# Altium PCB STB_ControlBoard.PcbDoc (part 1 of 3) (continued)
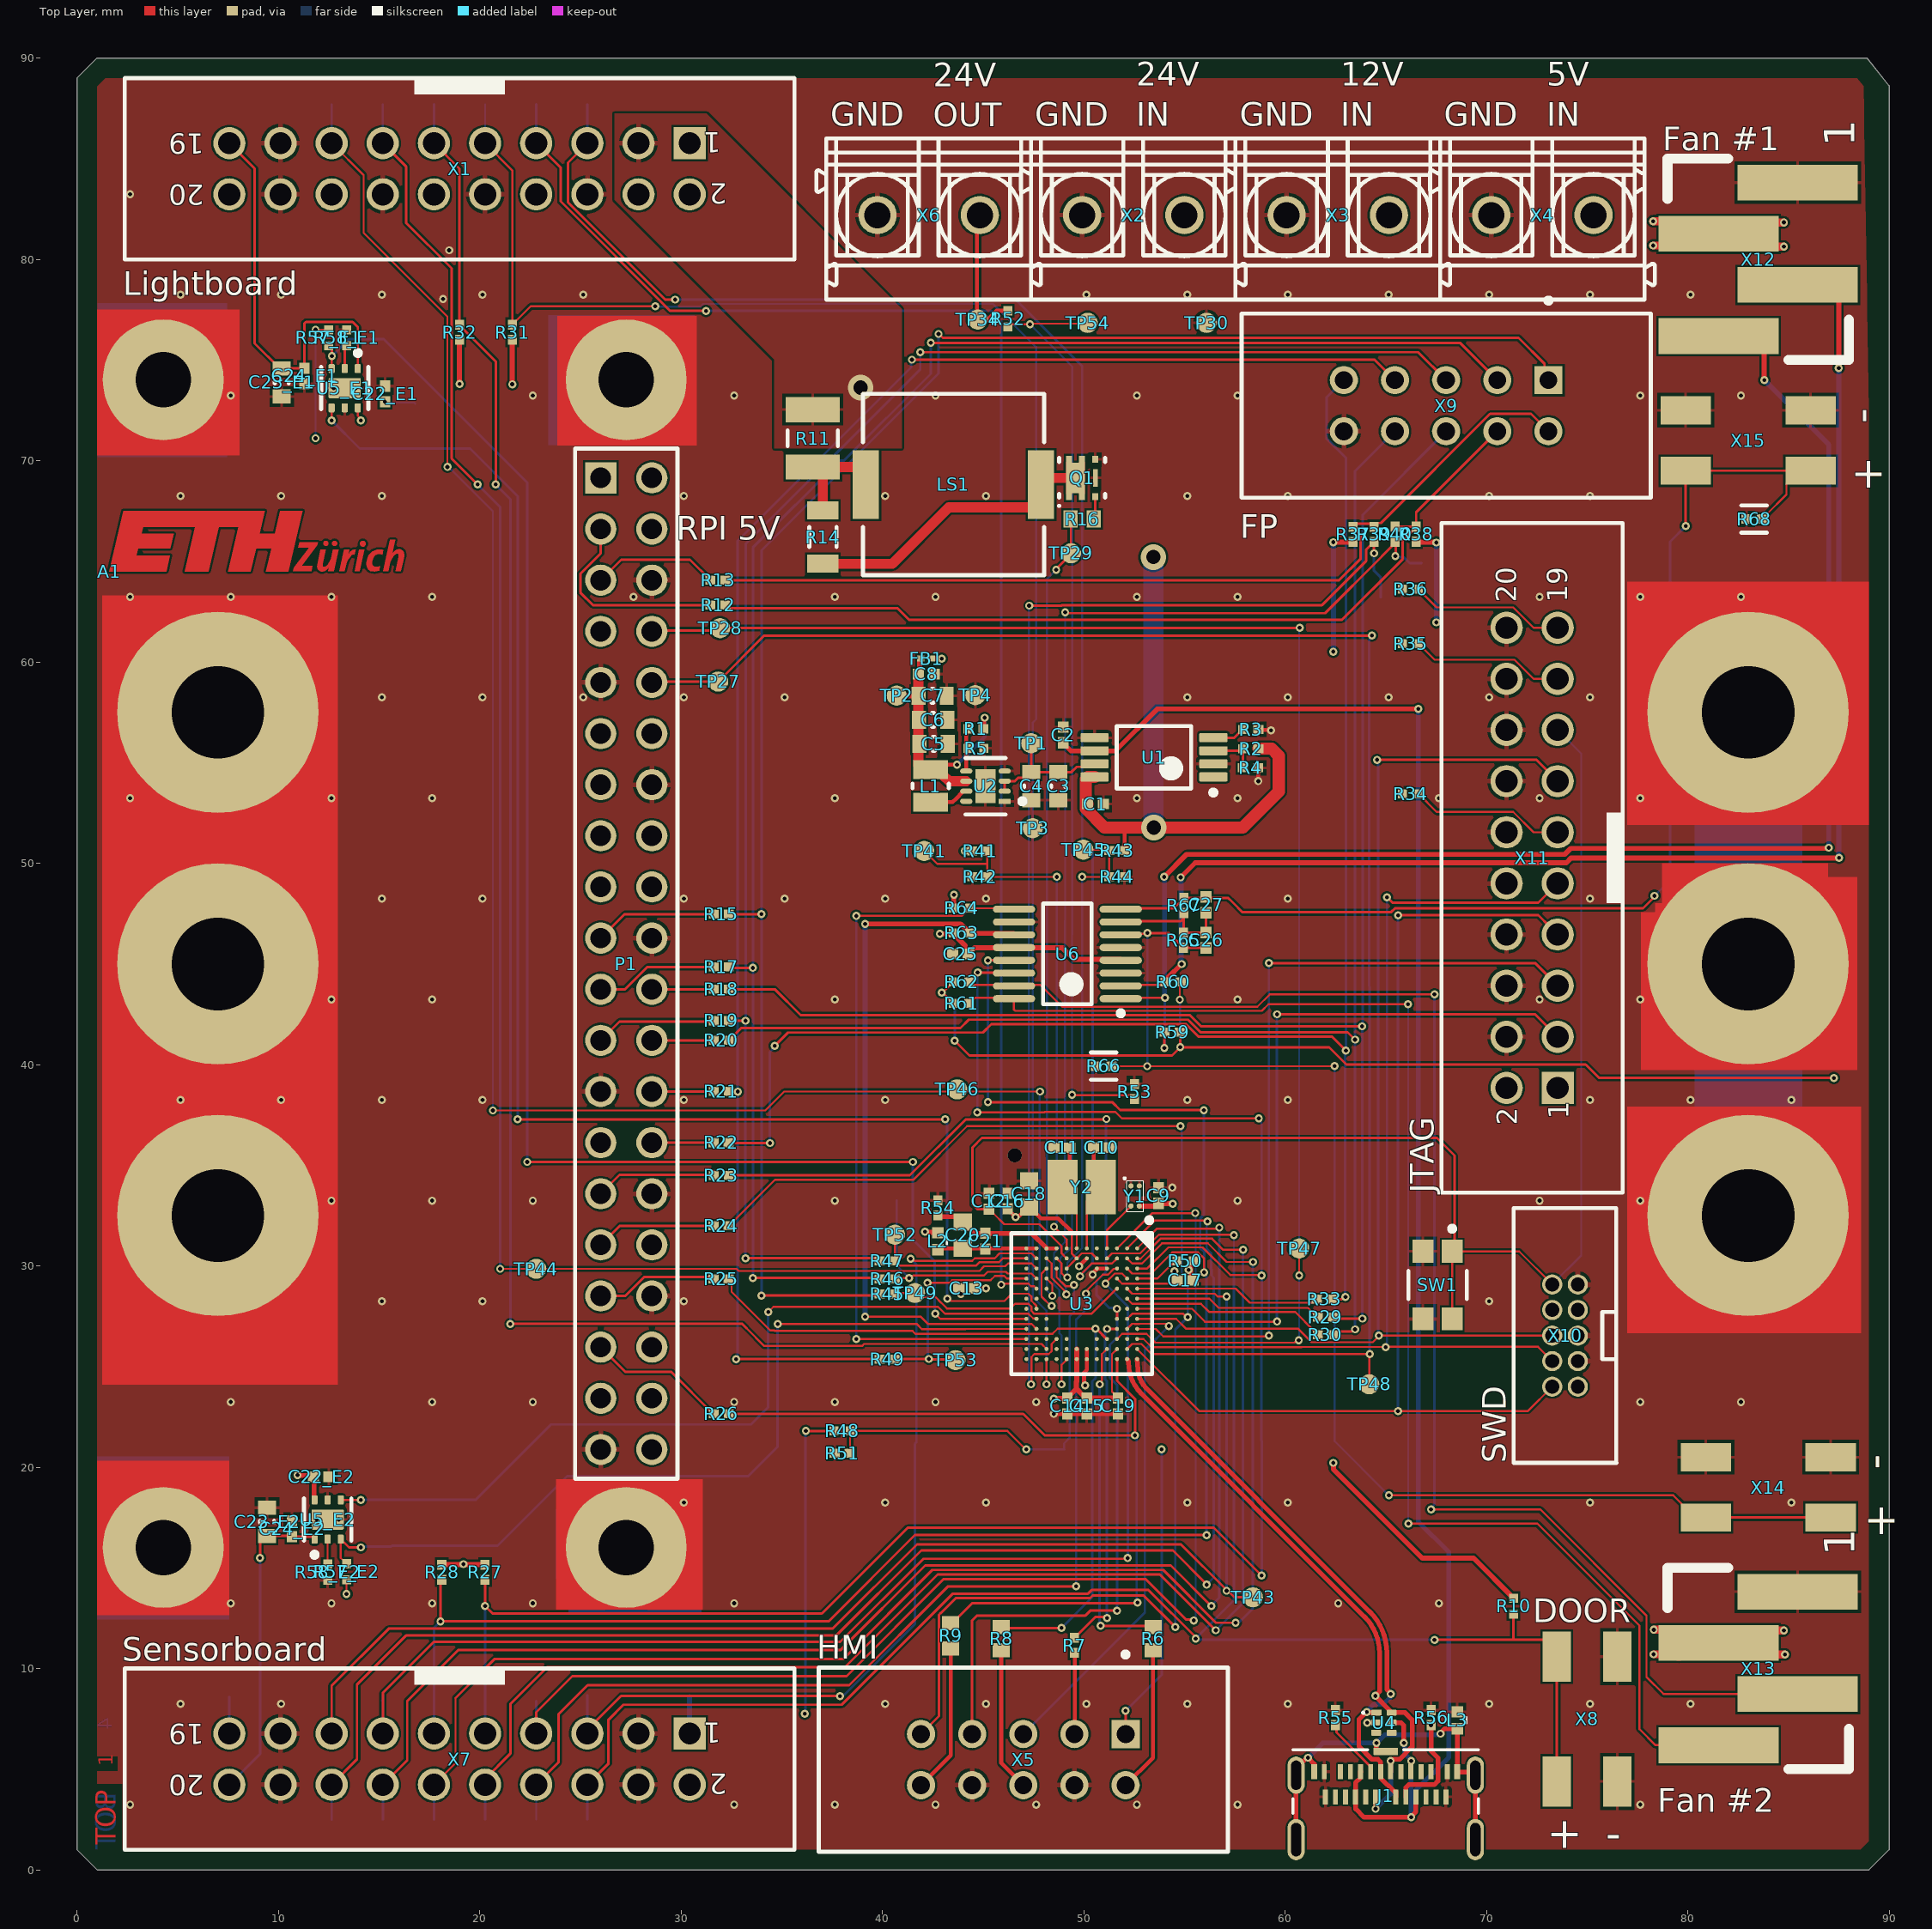
[diagram p0: Top Layer view]
## Classes and differential pairs
net class USB: USB_N USB_P
component class FC: C25 C26 C27 R59 R60 R61 R62 R63 R64 R65 R66 R67 R68 U6 X12 X13 X14 X15
differential pair class USB_90R: USB
channel class STB_eFuse: E1 E2
component class USB: J1 L3 R55 R56 U4
component class STB_ControlBoard: A1 LS1 M1 M2 P1 Q1 R6 R7 R8 R9 R10 R11 R12 R13 R14 R15 R16 R17 R18 R19 R20 R21 R22 R23 R24 R25 R26 TP5 TP6 TP7 TP8 TP9 TP10 TP11 TP12 TP13 TP14 TP15 TP16 TP17 TP18 TP19 TP20 TP21 TP22 TP23 TP24 TP25 TP26 TP27 TP28 TP29 TP30 TP31 TP32 TP33 TP34 X1 X2 X3 X4 X5 X6 X7 X8 X9
component class PSU: C1 C2 C3 C4 C5 C6 C7 C8 FB1 L1 R1 R2 R3 R4 R5 TP1 TP2 TP3 TP4 U1 U2
component class MCU: C9 C10 C11 C12 C13 C14 C15 C16 C17 C18 C19 C20 C21 L2 R27 R28 R29 R30 R31 R32 R33 R34 R35 R36 R37 R38 R39 R40 R41 R42 R43 R44 R45 R46 R47 R48 R49 R50 R51 R52 R53 R54 SW1 TP39 TP40 TP41 TP43 TP44 TP45 TP46 TP47 TP48 TP49 TP50 TP51 TP52 TP53 TP54 U3 X10 X11 Y1 Y2
component class E2: C22_E2 C23_E2 C24_E2 R57_E2 R58_E2 U5_E2
component class E1: C22_E1 C23_E1 C24_E1 R57_E1 R58_E1 U5_E1
differential pair USB: +USB_P -USB_N

## Components (designator, comment, footprint, x,y, rotation, side; value= is the part's Value field where it differs from the comment)
A1 "Logo ETH Zurich" eth-zurich_3mm 1.6,64.5 r0 top
C1 "100nF" CAPC1050X55X23LL05T13 50.581,52.94 r180 top
C2 "100nF" CAPC1050X55X23LL05T13 48.987,56.377 r270 top
C3 "10uF" CAPC0603(1608)100_L 48.743,53.83 r90 top
C4 "10uF" CAPC0603(1608)100_L 47.397,53.83 r90 top
C5 "10uF" CAPC0603(1608)100_L 42.549,55.93 r180 top
C6 "10uF" CAPC0603(1608)100_L 42.521,57.118 r180 top
C7 "10uF" CAPC0603(1608)100_L 42.496,58.326 r180 top
C8 "100nF" CAPC1050X55X23LL05T13 42.179,59.396 r180 top
C9 "100nF" CAPC1050X55X23LL05T13 53.717,33.498 r270 top
C10 "16pF" CAPC1005X55X25LL05T10 50.884,35.878 r0 top
C11 "16pF" CAPC1005X55X25LL05T10 48.913,35.87 r180 top
C12 "100nF" CAPC1050X55X23LL05T13 45.299,33.211 r270 top
C13 "100nF" CAPC1050X55X23LL05T13 44.191,28.88 r0 top
C14 "100nF" CAPC1050X55X23LL05T13 49.188,23.04 r90 top
C15 "100nF" CAPC1050X55X23LL05T13 50.154,23.04 r90 top
C16 "100nF" CAPC1050X55X23LL05T13 46.221,33.223 r270 top
C17 "100nF" CAPC1050X55X23LL05T13 55.037,29.28 r180 top
C18 "1uF" CAPC1608X90X35LL15T15 47.284,33.583 r270 top
C19 "100nF" CAPC1050X55X23LL05T13 51.704,23.04 r90 top
C20 "1uF" CAPC1608X90X35LL15T15 43.995,31.523 r270 top
C21 "100nF" CAPC1050X55X23LL05T13 45.116,31.228 r270 top
C22_E1 "100nF" CAPC1050X55X23LL05T13 15.3,73.314 r270 top (schematic designator C22)
C22_E2 "100nF" CAPC1050X55X23LL05T13 12.131,19.524 r180 top (schematic designator C22)
C23_E1 "10uF" CAPC0603(1608)100_L 10.172,73.886 r90 top (schematic designator C23)
C23_E2 "10uF" CAPC0603(1608)100_L 9.442,17.287 r270 top (schematic designator C23)
C24_E1 "100nF" CAPC1050X55X23LL05T13 11.3,74.206 r90 top (schematic designator C24)
C24_E2 "100nF" CAPC1050X55X23LL05T13 10.679,16.94 r270 top (schematic designator C24)
C25 "100nF" CAPC1050X55X23LL05T13 43.884,45.495 r0 top
C26 "100pF" CAPC1005X56X25LL10T15 56.076,46.175 r270 top
C27 "100pF" CAPC1005X56X25LL10T15 56.076,47.936 r270 top
FB1 "80mR" MURA-BLM03-CHIP-2_V 42.179,60.166 r0 top
J1 "2305018-2" 2305018-2 65,1.5 r0 top locked
L1 "DFE201612E-2R2M=P2" INDC2016X10L 42.404,53.84 r90 top value=2.2uH
L2 "LI0402E300R-10" INDC1005X07L 42.758,31.228 r270 top
L3 "LI0402E300R-10" INDC1005X07L 68.55,7.429 r90 top
LS1 "PKMCS0909E4000-R1" "MURA- PKMCS0909E4000-2_V" 43.534,68.814 r0 top
M1 "1202713" 1202713#1 7,45 r180 bottom locked
M2 "1202713" 1202713#2 83,45 r180 bottom locked
P1 "TSW-120-24-L-D" SMTC-TSW-120-24-X-D 26.014,69.143 r270 top locked
Q1 "SIA440DJ-T1-GE3" SC70-6L_65P210X80_HS-7L 49.921,69.143 r90 top
R1 "470k" RESC1005X40X25LL05T10 44.642,56.678 r180 top value="470 kOhm"
R2 "470k" RESC1005X40X25LL05T10 58.296,55.693 r0 top value="470 kOhm"
R3 "1k" RESC1005X40X25LL05T10 58.296,56.652 r180 top value="1 kOhm"
R4 "100k" RESC1005X40X25LL05T10 58.285,54.738 r0 top value="100 kOhm"
R5 "150k" RESC1005X40X25LL05T05 44.648,55.712 r180 top value="150 kOhm"
R6 "56R" RESC1609X50X30LL10T20 53.442,11.488 r270 top value="56 Ohm"
R7 "100k" RESC1005X40X25LL05T10 49.54,11.15 r90 top value="100 kOhm"
R8 "30R" RESC1609X50X30LL10T20 45.904,11.488 r270 top value="30 Ohm"
R9 "27R" RESC1608X55X30LL15T15 43.395,11.625 r270 top value="27 Ohm"
R10 "10k" RESC1005X40X25LL05T05 71.345,13.096 r90 top value="10 kOhm"
R11 "1R" RESC3225X70X50NL20T20 36.545,71.112 r90 top value="1 Ohm"
R12 "0R" RESC1005X40X25LL05T10 31.838,62.825 r180 top
R13 "0R" RESC1005X40X25LL05T10 31.838,64.063 r180 top
R14 "1k" RESC3216X70X50LL05T20 37.045,66.203 r90 top value="1 kOhm"
R15 "0R" RESC1005X40X25LL05T10 32,47.472 r180 top
R16 "56R" RESC1609X50X30LL10T20 49.921,67.1 r180 top value="56 Ohm"
R17 "0R" RESC1005X40X25LL05T10 32,44.851 r180 top
R18 "0R" RESC1005X40X25LL05T10 32,43.743 r0 top
R19 "0R" RESC1005X40X25LL05T10 32,42.178 r180 top
R20 "0R" RESC1005X40X25LL05T10 32,41.203 r0 top
R21 "0R" RESC1005X40X25LL05T10 32,38.663 r0 top
R22 "0R" RESC1005X40X25LL05T10 31.99,36.123 r0 top
R23 "0R" RESC1005X40X25LL05T10 32,34.497 r180 top
R24 "0R" RESC1005X40X25LL05T10 31.99,31.995 r180 top
R25 "0R" RESC1005X40X25LL05T10 31.99,29.35 r180 top
R26 "0R" RESC1005X40X25LL05T10 32,22.65 r180 top
R27 "4k7" RESC1005X40X25LL05T10 20.27,14.779 r90 top value="4.7 kOhm"
R28 "4k7" RESC1005X40X25LL05T10 18.12,14.779 r90 top value="4.7 kOhm"
R29 "0R" RESC1005X40X25LL05T10 62,27.455 r0 top
R30 "0R" RESC1005X40X25LL05T10 62,26.585 r0 top
R31 "4k7" RESC1005X40X25LL05T10 21.62,76.379 r270 top value="4.7 kOhm"
R32 "4k7" RESC1005X40X25LL05T10 19,76.379 r270 top value="4.7 kOhm"
R33 "0R" RESC1005X40X25LL05T10 61.95,28.345 r0 top
R34 "10k" RESC1005X40X25LL05T05 66.225,53.452 r0 top value="10 kOhm"
R35 "10k" RESC1005X40X25LL05T05 66.225,60.912 r0 top value="10 kOhm"
R36 "10k" RESC1005X40X25LL05T05 66.225,63.612 r0 top value="10 kOhm"
R37 "4k7" RESC1005X40X25LL05T10 63.369,66.338 r270 top value="4.7 kOhm"
R38 "4k7" RESC1005X40X25LL05T10 66.511,66.35 r270 top value="4.7 kOhm"
R39 "0R" RESC1005X40X25LL05T10 64.419,66.338 r270 top
R40 "0R" RESC1005X40X25LL05T10 65.46,66.35 r270 top
R41 "100k" RESC1005X40X25LL05T10 44.841,50.612 r0 top value="100 kOhm"
R42 "100k" RESC1005X40X25LL05T10 44.841,49.324 r0 top value="100 kOhm"
R43 "100k" RESC1005X40X25LL05T10 51.654,50.632 r180 top value="100 kOhm"
R44 "100k" RESC1005X40X25LL05T10 51.64,49.324 r180 top value="100 kOhm"
R45 "0R" RESC1005X40X25LL05T10 40.246,28.614 r0 top
R46 "0R" RESC1005X40X25LL05T10 40.246,29.35 r0 top
R47 "0R" RESC1005X40X25LL05T10 40.246,30.254 r0 top
R48 "390k" RESC1005X40X25LL05T05 38,21.8 r180 top value="390 kOhm"
R49 "0R" RESC1005X40X25LL05T10 40.246,25.37 r0 top
R50 "10k" RESC1005X40X25LL05T05 55.037,30.254 r180 top value="10 kOhm"
R51 "100k" RESC1005X40X25LL05T10 38,20.696 r0 top value="100 kOhm"
R52 "820k" RESC1005X40X25LL05T05 46.234,77.046 r90 top value="820 kOhm"
R53 "100k" RESC1005X40X25LL05T10 52.52,38.658 r270 top value="100 kOhm"
R54 "0R" RESC1005X40X25LL05T10 42.758,32.883 r90 top
R55 "5k1" RESC1005X40X25LL05T10 62.5,7.563 r270 top value="5.1 kOhm"
R56 "5k1" RESC1005X40X25LL05T10 67.25,7.563 r270 top value="5.1 kOhm"
R57_E1 "390k" RESC1005X40X25LL05T05 12.5,76.104 r90 top value="390 kOhm" (schematic designator R57)
R57_E2 "390k" RESC1005X40X25LL05T05 13.388,14.804 r270 top value="390 kOhm" (schematic designator R57)
R58_E1 "390k" RESC1005X40X25LL05T05 13.4,76.104 r270 top value="390 kOhm" (schematic designator R58)
R58_E2 "390k" RESC1005X40X25LL05T05 12.45,14.785 r90 top value="390 kOhm" (schematic designator R58)
R59 "4k7" RESC1005X40X25LL05T10 54.394,41.618 r0 top value="4.7 kOhm"
R60 "4k7" RESC1005X40X25LL05T10 54.442,44.107 r0 top value="4.7 kOhm"
R61 "4k7" RESC1005X40X25LL05T10 43.934,43.043 r180 top value="4.7 kOhm"
R62 "4k7" RESC1005X40X25LL05T10 43.934,44.107 r180 top value="4.7 kOhm"
R63 "10k" RESC1005X40X25LL05T05 43.934,46.536 r180 top value="10 KOhm"
R64 "10k" RESC1005X40X25LL05T05 43.934,47.768 r180 top value="10 KOhm"
R65 "1k6" RESC1005X40X25LL05T10 54.959,46.175 r270 top value="1.6 kOhm"
R66 "NCP15XH103F03RC" FP-NCP15-NCU15-0_05-IPC_C 50.996,39.925 r180 top value="10 kOhm"
R67 "1k6" RESC1005X40X25LL05T10 54.972,47.91 r270 top value="1.6 kOhm"
R68 "NCP15XH103F03RC" FP-NCP15-NCU15-0_05-IPC_C 83.3,67.1 r180 top value="10 kOhm"
SW1 "EVP-AA002K" PNSC-EVPAA_V 67.575,29.045 r270 top
TP1 "TP_1mm" TP-SM-C-100#1 47.394,55.958 r270 top
TP2 "TP_1mm" TP-SM-C-100#1 40.717,58.326 r0 top
TP3 "TP_1mm" TP-SM-C-100#1 47.467,51.746 r180 top
TP4 "TP_1mm" TP-SM-C-100#1 44.621,58.349 r0 top
TP5 "TP_1mm" TP-SM-C-100#1 25.35,87.7 r270 bottom
TP6 "TP_1mm" TP-SM-C-100#1 22.81,87.7 r270 bottom
TP7 "TP_1mm" TP-SM-C-100#1 20.27,87.7 r270 bottom
TP8 "TP_1mm" TP-SM-C-100#1 17.73,87.7 r270 bottom
TP9 "TP_1mm" TP-SM-C-100#1 15.19,87.7 r270 bottom
TP10 "TP_1mm" TP-SM-C-100#1 12.65,87.7 r270 bottom
TP11 "TP_1mm" TP-SM-C-100#1 16.756,70.603 r90 bottom
TP12 "TP_1mm" TP-SM-C-100#1 16.756,74.513 r270 bottom
TP13 "TP_1mm" TP-SM-C-100#1 25.35,8.675 r270 bottom
TP14 "TP_1mm" TP-SM-C-100#2 25.35,2.5 r270 top
TP15 "TP_1mm" TP-SM-C-100#2 22.81,8.385 r270 top
TP16 "TP_1mm" TP-SM-C-100#1 22.81,2.5 r270 bottom
TP17 "TP_1mm" TP-SM-C-100#1 20.27,10 r270 bottom
TP18 "TP_1mm" TP-SM-C-100#2 20.27,2.5 r270 top
TP19 "TP_1mm" TP-SM-C-100#1 17.73,10.2 r270 bottom
TP20 "TP_1mm" TP-SM-C-100#2 17.73,2.5 r270 top
TP21 "TP_1mm" TP-SM-C-100#1 15.201,8.361 r270 bottom
TP22 "TP_1mm" TP-SM-C-100#1 15.19,2.5 r270 bottom
TP23 "TP_1mm" TP-SM-C-100#1 12.65,8.385 r270 bottom
TP24 "TP_1mm" TP-SM-C-100#1 12.65,2.5 r270 bottom
TP25 "TP_1mm" TP-SM-C-100#1 15.653,18.375 r90 bottom
TP26 "TP_1mm" TP-SM-C-100#1 15.653,16.1 r90 bottom
TP27 "TP_1mm" TP-SM-C-100#1 31.85,59.026 r90 top
TP28 "TP_1mm" TP-SM-C-100#1 31.937,61.674 r90 top
TP29 "TP_1mm" TP-SM-C-100#1 49.368,65.4 r90 top
TP30 "TP_1mm" TP-SM-C-100#1 56.104,76.846 r90 top
TP31 "TP_1mm" TP-SM-C-100#1 16.8,72.836 r90 bottom
TP32 "TP_1mm" TP-SM-C-100#1 30.43,8.6 r270 bottom
TP33 "TP_1mm" TP-SM-C-100#1 7.57,8.6 r270 bottom
TP34 "TP_1mm" TP-SM-C-100#1 44.735,77.011 r90 top
TP39 "TP_1mm" TP-SM-C-100#1 64.761,63.212 r90 bottom
TP40 "TP_1mm" TP-SM-C-100#1 66.786,64.9 r90 bottom
TP41 "TP_1mm" TP-SM-C-100#1 42.079,50.612 r180 top
TP43 "TP_1mm" TP-SM-C-100#1 58.403,13.538 r90 top
TP44 "TP_1mm" TP-SM-C-100#1 22.81,29.854 r90 top
TP45 "TP_1mm" TP-SM-C-100#1 49.98,50.67 r90 top
TP46 "TP_1mm" TP-SM-C-100#1 43.715,38.77 r90 top
TP47 "TP_1mm" TP-SM-C-100#1 60.701,30.87 r90 top
TP48 "TP_1mm" TP-SM-C-100#1 64.178,24.12 r90 top
TP49 "TP_1mm" TP-SM-C-100#1 41.621,28.655 r90 top
TP50 "TP_1mm" TP-SM-C-100#1 48.734,20.883 r90 bottom
TP51 "TP_1mm" TP-SM-C-100#1 40.717,33.258 r90 bottom
TP52 "TP_1mm" TP-SM-C-100#1 40.621,31.551 r90 top
TP53 "TP_1mm" TP-SM-C-100#1 43.634,25.317 r90 top
TP54 "TP_1mm" TP-SM-C-100#1 50.196,76.846 r90 top
U1 "TPS2111APW" PW0008A_N 53.49,55.264 r180 top
U2 "TPS62160QDSGRQ1" FP-DSG0008A-IPC_C 45.121,53.83 r180 top
U3 "STM32L452VEI6" UFBGA100 49.904,28.12 r270 top locked
U4 "TPD4S009DRYR" DRY0006A 64.908,7.309 r0 top
U5_E1 "TPS25200DRVT" FP-DRV0006A-MFG 13.3,73.6 r270 top (schematic designator U5)
U5_E2 "TPS25200DRVT" FP-DRV0006A-MFG 12.45,17.4 r90 top (schematic designator U5)
U6 "MAX6615AEE+T" MAXM-E16+1_M 49.188,45.495 r180 top
X1 "61202021621" 61202021621 19,84.5 r180 top locked
X2 "1760490000" PM_5_08_90_02 52.46,82 r180 top locked
X3 "1760490000" PM_5_08_90_02 62.62,82 r180 top locked
X4 "1760490000" PM_5_08_90_02 72.78,82 r180 top locked
X5 "5103309-1" TECO-5103309-1_V 47,5.474 r0 top locked
X6 "1760490000" PM_5_08_90_02 42.3,82 r180 top locked
X7 "61202021621" 61202021621 19,5.5 r180 top locked
X8 "2059-302/998-403" 2059-302/998-403 75,7.488 r270 top
X9 "5103309-1" TECO-5103309-1_V 68,72.73 r0 top locked
X10 "3220-10-0100-00" 3220-10-0100-00 73.905,26.54 r90 top locked
X11 "61202021621" 61202021621 72.27,50.27 r90 top locked
X12 "3-647168-4" 3-647168-4 83.5,80 r90 top
X13 "3-647168-4" 3-647168-4 83.5,10 r90 top
X14 "2059-302/998-403" 2059-302/998-403 84,19 r0 top
X15 "2059-302/998-403" 2059-302/998-403 83,71 r0 top
Y1 "SiT1532AI-J4-DCC-32.768E" 4-UFBGA 52.555,33.472 r0 top
Y2 "8MHz" NDK-NX3225GD-8MHZ-STD-CRA-3_V 49.904,33.915 r0 top

## Footprints (in the part's own frame and the unit in brackets; to place one, negate y for a bottom-side part, rotate by r counter-clockwise, add the part's x,y. Pads: shape width x height; smd on the part's side, far side on the other; paste and mask are expansions set on the pad)
3-647168-4 [mm] "04P MTA100 HDR ASSY SM 30AU LF"
  rect 1.78x5.97 smd paste-1: 1(3.81,-1.965) 2(1.27,1.965) 3(-1.27,-1.965) 4(-3.81,1.965)
  silkscreen extent -5,-4.5 5,4.5, body extent -5.08,-4.27 5.08,4.31, height 10.67
4-UFBGA [mm] "BGA, 4-Leads, Body 0.84x1.54mmx0.60mm, Pitch 0.41mm"
  round 0.26 smd mask+0.05: A1(-0.205,0.5) A2(0.205,0.5) B1(-0.205,-0.5) B2(0.205,-0.5)
  silkscreen extent -0.57,-0.77 0.42,0.92, body extent -0.42,-0.77 0.42,0.77, height 0.6
2059-302/998-403 [mm] "2 pos"
  rect 2.5x1.4 smd paste-100: 1(-3.1,-1.5) 1(3.1,-1.5) 2(-3.1,1.5) 2(3.1,1.5)
  body extent -4,-2.95 3.85,2.95, height 2.7
3220-10-0100-00 [mm] "10 Positions Header, Shrouded Connector 0.050\" (1.27mm) Through Hole Gold"
  round 1 hole 0.7: 1(-2.54,-0.635) 2(-2.54,0.635) 3(-1.27,-0.635) 4(-1.27,0.635) 5(0,-0.635) 6(0,0.635) 7(1.27,-0.635) 8(1.27,0.635) 9(2.54,-0.635) 10(2.54,0.635)
  silkscreen extent -6.33,-2.55 6.32,2.55, body extent -6.33,-2.55 6.32,2.55, height 5.4
1202713#1 [mm] "Rail adapters - USA 10/4,6"
  round 5 / inner round 1.524 / far side round 10 hole 4.6: 7(0,-12.5) 7(0,12.5)
  round 5 / inner round 1.524 / far side round 10 hole 4.6 paste+6: 7(0,0)
  silkscreen extent -5,-21.5 5,21, body extent -5,-21.5 5,21.1, height 18.98
1202713#2 [mm] "Rail adapters - USA 10/4,6"
  round 5 / inner round 1.524 / far side round 10 hole 4.6: 7(0,-12.5) 7(0,0) 7(0,12.5)
  silkscreen extent -5,-21.5 5,21, body extent -5,-21.5 5,21.1, height 18.98
2305018-2 [mm] "USB TYPE C, REC IPX8 ON BOARD DUAL SMT"
  rrect5% 0.25x0.75 smd: A1(-3.05,3.375) A2(-2.25,3.375) A3(-1.75,3.375) A4(-1.25,3.375) A5(-0.75,3.375) A6(-0.25,3.375) A7(0.25,3.375) A8(0.75,3.375) A9(1.25,3.375) A10(1.75,3.375) A11(2.25,3.375) A12(3.05,3.375) B1(3,2.125) B2(2.5,2.125) B3(2,2.125) B4(1.5,2.125) B5(1,2.125) B6(0.5,2.125) B7(-0.5,2.125) B8(-1,2.125) B9(-1.5,2.125) B10(-2,2.125) B11(-2.5,2.125) B12(-3,2.125)
  oval 0.85x1.85 hole 0.5 slot 1.45 at 90 deg: A13(-4.45,3.2) A13(4.45,3.2)
  rrect5% 0.3x0.75 smd: A13(-3.55,3.375) A13(3.55,3.375)
  rrect5% 1.2x0.35 smd: A13(0,4.38)
  oval 0.85x2.05 hole 0.5 slot 1.65 at 90 deg: B13(-4.45,0) B13(4.45,0)
  silkscreen extent -4.6,1.3 4.6,4.46, body extent -4.92,-4.19 4.92,4.46, height 3.52
61202021621 [mm] "20 pins, straight, gold plating"
  rect 1.6x1.6 hole 1.1: 1(-11.43,-1.27)
  round 1.6 hole 1.1: 2(-11.43,1.27) 3(-8.89,-1.27) 4(-8.89,1.27) 5(-6.35,-1.27) 6(-6.35,1.27) 7(-3.81,-1.27) 8(-3.81,1.27) 9(-1.27,-1.27) 10(-1.27,1.27) 11(1.27,-1.27) 12(1.27,1.27) 13(3.81,-1.27) 14(3.81,1.27) 15(6.35,-1.27) 16(6.35,1.27) 17(8.89,-1.27) 18(8.89,1.27) 19(11.43,-1.27) 20(11.43,1.27)
  silkscreen extent -16.63,-4.5 16.63,4.5, body extent -16.53,-4.42 16.53,4.75, height 9.13
CAPC0603(1608)100_L [mm] "Chip Capacitor, Body 1.6x0.8mm, Height 1.0mm, IPC High Density"
  rect 0.7x0.9 smd: 1(-0.7,0) 2(0.7,0)
  silkscreen extent -0.05,-0.35 0.05,0.35, body extent -0.87,-0.47 0.88,0.48, height 1
CAPC1005X55X25LL05T10 [mm] "Chip Capacitor, 2-Leads, Body 1.00x0.50mm, IPC High Density"
  rect 0.56x0.52 smd: 1(-0.39,0) 2(0.39,0)
  body extent -0.53,-0.28 0.53,0.28, height 0.55
CAPC1005X56X25LL10T15 [mm] "Chip Capacitor, 2-Leads, Body 1.00x0.50mm, IPC High Density"
  rect 0.58x0.54 smd: 1(-0.39,0) 2(0.39,0)
  body extent -0.55,-0.3 0.55,0.3, height 0.56
CAPC1050X55X23LL05T13 [mm] "Chip Capacitor, 2-Leads, Body 1.05x0.55mm, IPC High Density"
  rect 0.56x0.52 smd: 1(-0.39,0) 2(0.39,0)
  body extent -0.53,-0.28 0.53,0.28, height 0.55
CAPC1608X90X35LL15T15 [mm] "Chip Capacitor, 2-Leads, Body 1.60x0.81mm, IPC High Density"
  rect 0.85x0.9 smd: 1(-0.65,0) 2(0.65,0)
  body extent -0.88,-0.48 0.87,0.48, height 0.9
DRY0006A [mm] "SON, 6-Leads, Body 1.45x1mm, Pitch 0.5mm"
  rrect33% 0.52x0.3 smd: 1(-0.37,0.5)
  rrect33% 0.49x0.3 smd: 2(-0.385,0) 3(-0.385,-0.5) 4(0.385,-0.5) 5(0.385,0) 6(0.385,0.5)
  silkscreen extent -1.08,0.45 -0.98,0.55, body extent -0.5,-0.72 0.5,0.72, height 0.6
eth-zurich_3mm [mm] "Logo ETH Zurich"
  Top Layer circle w0.27: c10.764,1.389 r0.001
  Top Layer circle w0.27: c11.193,1.389 r0.001
  Top Layer circle w0.3: c12.598,1.372 r0.001
  Top Layer region: 8.895,0 8.895,0 9.6,3 8.493,3 8.227,1.87 7.459,1.87 7.723,3 0.705,3 0,0 1.171,0 2.838,0 3.021,0.78 1.356,0.78 1.442,1.146 3.034,1.146 3.204,1.866 1.609,1.866 1.693,2.22 4.273,2.22 3.75,0 4.923,0 5.445,2.22 6.433,2.22 5.913,0 7.02,0 7.29,1.151 8.058,1.151 7.788,0
  Top Layer region: 10.359,1.44 10.359,1.44 9.452,1.44 9.396,1.191 9.945,1.191 9.172,0.185 9.138,0.024 10.044,0.024 10.099,0.273 9.549,0.273 10.325,1.284
  Top Layer region: 11.166,0.024 11.166,0.024 11.398,1.071 11.121,1.071 11.031,0.661 10.98,0.54 10.92,0.432 10.86,0.336 10.8,0.273 10.752,0.24 10.704,0.216 10.668,0.216 10.632,0.228 10.608,0.252 10.602,0.288 10.602,0.336 10.608,0.378 10.763,1.071 10.496,1.071 10.38,0.54 10.336,0.342 10.332,0.252 10.344,0.168 10.368,0.096 10.416,0.048 10.476,0.012 10.524,0 10.62,0 10.716,0.024 10.8,0.072 10.863,0.135 10.932,0.216 10.89,0.024
  Top Layer region: 11.857,0.78 11.857,0.78 11.922,1.071 11.676,1.071 11.444,0.024 11.689,0.024 11.727,0.193 11.784,0.378 11.85,0.54 11.904,0.642 11.979,0.741 12.03,0.792 12.072,0.822 12.114,0.84 12.144,0.84 12.184,0.83 12.24,1.08 12.204,1.086 12.168,1.086 12.132,1.08 12.078,1.056 12.042,1.032 11.994,0.99 11.952,0.948 11.904,0.876
  Top Layer region: 12.438,0.024 12.438,0.024 12.671,1.071 12.424,1.071 12.192,0.024
  Top Layer region: 13.614,1.051 13.614,1.051 13.56,1.071 13.5,1.08 13.404,1.08 13.296,1.071 13.182,1.044 13.086,0.996 13.008,0.936 12.96,0.888 12.912,0.828 12.87,0.756 12.84,0.684 12.81,0.6 12.792,0.522 12.78,0.444 12.78,0.342 12.792,0.252 12.81,0.192 12.84,0.132 12.876,0.084 12.924,0.048 12.978,0.024 13.032,0.012 13.152,0 13.212,0 13.32,0.012 13.387,0.028 13.416,0.036 13.441,0.272 13.386,0.252 13.308,0.234 13.248,0.228 13.206,0.228 13.158,0.24 13.116,0.264 13.092,0.288 13.074,0.324 13.062,0.366 13.056,0.408 13.056,0.462 13.068,0.54 13.092,0.618 13.122,0.684 13.158,0.738 13.212,0.804 13.26,0.834 13.308,0.852 13.356,0.858 13.428,0.858 13.494,0.852 13.524,0.846 13.566,0.834
  Top Layer region: 14.118,0.96 14.118,0.96 14.049,0.879 14.2,1.562 13.955,1.562 13.614,0.024 13.86,0.024 13.95,0.433 14.001,0.555 14.061,0.663 14.121,0.759 14.181,0.822 14.229,0.855 14.277,0.879 14.313,0.879 14.349,0.867 14.373,0.843 14.379,0.807 14.379,0.759 14.373,0.717 14.219,0.024 14.486,0.024 14.601,0.555 14.644,0.753 14.649,0.843 14.637,0.927 14.613,0.999 14.565,1.047 14.505,1.083 14.457,1.095 14.361,1.095 14.265,1.071 14.181,1.023
FP-DRV0006A-MFG [mm]
  rrect33% 0.45x0.3 smd paste+0 mask+0: 1(-0.975,0.65) 2(-0.975,0) 3(-0.975,-0.65) 4(0.975,-0.65) 5(0.975,0) 6(0.975,0.65)
  rrect10% 1x1.6 smd paste-1000 mask+0: 7(0,0)
  silkscreen extent -1.87,-1.17 1.05,1.17, body extent -1.3,-1.15 1.3,1.15, height 0.25
FP-DSG0008A-IPC_C [mm]
  rect 0.606x0.257 smd paste+0 mask+0: 1(-0.953,0.75)
  rrect100% 0.606x0.257 smd paste+0 mask+0: 2(-0.953,0.25) 3(-0.953,-0.25) 4(-0.953,-0.75) 5(0.953,-0.75) 6(0.953,-0.25) 7(0.953,0.25) 8(0.953,0.75)
  rect 1x1.7 smd paste-1000 mask+0: 9(0,0)
  silkscreen extent -1.96,-1.4 1,1.4
FP-NCP15-NCU15-0_05-IPC_C [mm]
  rect 0.515x0.472 smd paste+0 mask+0: 1(-0.379,0) 2(0.379,0)
  silkscreen extent -0.64,-0.67 0.64,0.67, body extent -0.74,-0.38 0.74,0.38, height 0.25
INDC1005X07L [mm] "Chip Inductor, 2-Leads, Body 1.00x0.50mm, IPC High Density"
  rect 0.57x0.58 smd: 1(-0.42,0) 2(0.42,0)
  silkscreen extent -0.15,-0.45 0.15,0.45, body extent -0.58,-0.33 0.58,0.33, height 0.65
INDC2016X10L [mm] "Chip Inductor, 2-Leads, Body 2.05x1.65mm, IPC High Density"
  rect 0.94x1.73 smd: 1(-0.805,0) 2(0.805,0)
  silkscreen extent -0.12,-0.9 0.12,0.9, body extent -1.1,-0.9 1.1,0.9, height 1
MAXM-E16+1_M [mm] "SOP, 16-Leads, Body 4.9x3.89mm, Pitch 0.635mm, IPC Low Density"
  oval 2.1x0.35 smd: 1(-2.65,2.222) 2(-2.65,1.587) 3(-2.65,0.952) 4(-2.65,0.317) 5(-2.65,-0.318) 6(-2.65,-0.953) 7(-2.65,-1.588) 8(-2.65,-2.223) 9(2.65,-2.222) 10(2.65,-1.587) 11(2.65,-0.952) 12(2.65,-0.317) 13(2.65,0.318) 14(2.65,0.953) 15(2.65,1.588) 16(2.65,2.223)
  silkscreen extent -2.78,-2.5 1.2,3.07, body extent -2,-2.5 2,2.5, height 1.75
"MURA- PKMCS0909E4000-2_V" [mm] "SMD, 2-Leads, Body 9x9mm"
  rect 1.3x3.4 smd: 1(-4.35,0) 2(4.35,0)
  silkscreen extent -4.5,-4.5 4.5,4.5, body extent -4.5,-4.5 4.5,4.5, height 1.9
MURA-BLM03-CHIP-2_V [mm] "Chip Ferrite Bead, 2-Leads, Body 0.6x0.3mm, Height 0.33mm, Reflow, 0.9A max Rated Current"
  rect 0.35x0.3 smd: 1(-0.275,0) 2(0.275,0)
  body extent -0.3,-0.15 0.3,0.15, height 0.33
NDK-NX3225GD-8MHZ-STD-CRA-3_V [mm] "SMD, 2-Leads, Body 3.2x2.5mm"
  rect 1.5x2.7 smd: 1(-0.95,0) 2(0.95,0)
  body extent -1.6,-1.25 1.6,1.25, height 1
PM_5_08_90_02 [mm] "PM 5.08/02/90 3.5"
  round 1.9 hole 1.3: A1(-2.54,-0.2) A2(2.54,-0.2)
  silkscreen extent -5.58,-4 5.58,4, body extent -5.58,-4 5.58,4, height 10.01
PNSC-EVPAA_V [mm] "SMD, 4-Leads, Body 2.9x3.5mm, Pitch 1.45mm"
  rect 1.15x1.05 smd: 1(-1.675,0.725) 2(-1.675,-0.725) 3(1.675,0.725) 4(1.675,-0.725)
  silkscreen extent -2.92,-1.45 0.7,1.45, body extent -1.75,-1.45 1.75,1.45, height 1.9
PW0008A_N [mm] "SOP, 8-Leads, Body 4.5x3.1mm, Pitch 0.65mm, IPC Medium Density"
  rrect22% 1.4x0.45 smd: 1(-2.95,0.975) 2(-2.95,0.325) 3(-2.95,-0.325) 4(-2.95,-0.975) 5(2.95,-0.975) 6(2.95,-0.325) 7(2.95,0.325) 8(2.95,0.975)
  silkscreen extent -3.08,-1.55 1.85,1.87, body extent -3.23,-1.5 3.23,1.5, height 1.2
RESC1005X40X25LL05T05 [mm] "Chip Resistor, 2-Leads, Body 1.00x0.50mm, IPC High Density"
  rect 0.45x0.45 smd: 1(-0.4,0) 2(0.4,0)
  body extent -0.53,-0.27 0.53,0.28, height 0.4
RESC1005X40X25LL05T10 [mm] "Chip Resistor, 2-Leads, Body 1.00x0.50mm, IPC High Density"
  rect 0.5x0.45 smd: 1(-0.375,0) 2(0.375,0)
  body extent -0.53,-0.27 0.53,0.28, height 0.4
RESC1608X55X30LL15T15 [mm] "Chip Resistor, 2-Leads, Body 1.60x0.80mm, IPC High Density"
  rect 0.7x0.85 smd: 1(-0.625,0) 2(0.625,0)
  body extent -0.87,-0.48 0.87,0.48, height 0.55
RESC1609X50X30LL10T20 [mm] "Chip Resistor, 2-Leads, Body 1.55x0.85mm, IPC High Density"
  rect 0.7x0.85 smd: 1(-0.575,0) 2(0.575,0)
  body extent -0.82,-0.48 0.82,0.48, height 0.5
RESC3216X70X50LL05T20 [mm] "Chip Resistor, 2-Leads, Body 3.20x1.60mm, IPC High Density"
  rect 0.9x1.55 smd: 1(-1.325,0) 2(1.325,0)
  silkscreen extent -0.5,-0.67 0.5,0.67, body extent -1.63,-0.82 1.62,0.82, height 0.7
RESC3225X70X50NL20T20 [mm] "Chip Resistor, 2-Leads, Body 3.20x2.50mm, IPC Medium Density"
  rect 1.25x2.7 smd: 1(-1.425,0) 2(1.425,0)
  silkscreen extent -0.4,-1.25 0.4,1.25, body extent -1.7,-1.35 1.7,1.35, height 0.7
SC70-6L_65P210X80_HS-7L [mm] "SC70-6L, Vishay Siliconix, Body 2.07x2.07mm, Pitch 0.65mm, IPC High Density"
  rect 0.35x0.3 smd: 1(-0.925,0.65) 2(-0.925,0) 3(-0.925,-0.65) 4(0.925,-0.65) 5(0.925,0) 6(0.925,0.65)
  rect 0.87x0.235 smd: S(0,-0.667)
  rect 1.5x0.95 smd: TP(0,0.325)
  Top Layer region: -0.795,0.5 0.8,0.5 0.8,0.8 -0.795,0.8
  Top Layer region: -0.8,-0.15 0.8,-0.15 0.8,0.15 -0.8,0.15
  silkscreen extent -1.44,-1.14 0.99,1.19, body extent -0.99,-0.99 0.99,0.99, height 0.8
SMTC-TSW-120-24-X-D [mm] ".025 SQ Post Terminal Strip Assembly, 2x20 Pins, Vertical, 2.54mm Pitch, Male"
  rect 1.55x1.55 hole 1.02: 1(0,0)
  round 1.55 hole 1.02: 2(0,2.54) 3(2.54,0) 4(2.54,2.54) 5(5.08,0) 6(5.08,2.54) 7(7.62,0) 8(7.62,2.54) 9(10.16,0) 10(10.16,2.54) 11(12.7,0) 12(12.7,2.54) 13(15.24,0) 14(15.24,2.54) 15(17.78,0) 16(17.78,2.54) 17(20.32,0) 18(20.32,2.54) 19(22.86,0) 20(22.86,2.54) 21(25.4,0) 22(25.4,2.54) 23(27.94,0) 24(27.94,2.54) 25(30.48,0) 26(30.48,2.54) 27(33.02,0) 28(33.02,2.54) 29(35.56,0) 30(35.56,2.54) 31(38.1,0) 32(38.1,2.54) 33(40.64,0) 34(40.64,2.54) 35(43.18,0) 36(43.18,2.54) 37(45.72,0) 38(45.72,2.54) 39(48.26,0) 40(48.26,2.54)
  silkscreen extent -1.46,-1.27 49.72,3.81, body extent -1.27,-1.27 49.53,3.81, height 9.27
TECO-5103309-1_V [mm] "Male Header, 10-Leads, Body 20.32x9.144mm, Pitch 2.54mm"
  rect 1.4x1.4 hole 0.889: 1(5.08,1.27)
  round 1.4 hole 0.889: 2(5.08,-1.27) 3(2.54,1.27) 4(2.54,-1.27) 5(0,1.27) 6(0,-1.27) 7(-2.54,1.27) 8(-2.54,-1.27) 9(-5.08,1.27) 10(-5.08,-1.27)
  silkscreen extent -10.16,-4.57 10.16,5.35, body extent -10.16,-4.57 10.16,4.57, height 9.85
TP-SM-C-100#1 [mm] "Test Point, Surface Mounting, Circular, Pad Diameter 1mm"
  round 1 smd paste-1: TP(0,0)
TP-SM-C-100#2 [mm] "Test Point, Surface Mounting, Circular, Pad Diameter 1mm"
  round 1 smd far side paste-1: TP(0,0)
UFBGA100 [mm] "BGA, 100-Leads, Body 7x7mm, Pitch 0.5mm"
  round 0.2 smd: A1(-2.75,2.75) A2(-2.25,2.75) A3(-1.75,2.75) A4(-1.25,2.75) A5(-0.75,2.75) A6(-0.25,2.75) A7(0.25,2.75) A8(0.75,2.75) A9(1.25,2.75) A10(1.75,2.75) A11(2.25,2.75) A12(2.75,2.75) B1(-2.75,2.25) B2(-2.25,2.25) B3(-1.75,2.25) B4(-1.25,2.25) B5(-0.75,2.25) B6(-0.25,2.25) B7(0.25,2.25) B8(0.75,2.25) B9(1.25,2.25) B10(1.75,2.25) B11(2.25,2.25) B12(2.75,2.25) C1(-2.75,1.75) C2(-2.25,1.75) C3(-1.75,1.75) C4(-1.25,1.75) C5(-0.75,1.75) C8(0.75,1.75) C9(1.25,1.75) C10(1.75,1.75) C11(2.25,1.75) C12(2.75,1.75) D1(-2.75,1.25) D2(-2.25,1.25) D3(-1.75,1.25) D10(1.75,1.25) D11(2.25,1.25) D12(2.75,1.25) E1(-2.75,0.75) E2(-2.25,0.75) E3(-1.75,0.75) E10(1.75,0.75) E11(2.25,0.75) E12(2.75,0.75) F1(-2.75,0.25) F2(-2.25,0.25) F11(2.25,0.25) F12(2.75,0.25) G1(-2.75,-0.25) G2(-2.25,-0.25) G11(2.25,-0.25) G12(2.75,-0.25) H1(-2.75,-0.75) H2(-2.25,-0.75) H3(-1.75,-0.75) H10(1.75,-0.75) H11(2.25,-0.75) H12(2.75,-0.75) J1(-2.75,-1.25) J2(-2.25,-1.25) J3(-1.75,-1.25) J10(1.75,-1.25) J11(2.25,-1.25) J12(2.75,-1.25) K1(-2.75,-1.75) K2(-2.25,-1.75) K3(-1.75,-1.75) K4(-1.25,-1.75) K5(-0.75,-1.75) K8(0.75,-1.75) K9(1.25,-1.75) K10(1.75,-1.75) K11(2.25,-1.75) K12(2.75,-1.75) L1(-2.75,-2.25) L2(-2.25,-2.25) L3(-1.75,-2.25) L4(-1.25,-2.25) L5(-0.75,-2.25) L6(-0.25,-2.25) L7(0.25,-2.25) L8(0.75,-2.25) L9(1.25,-2.25) L10(1.75,-2.25) L11(2.25,-2.25) L12(2.75,-2.25) M1(-2.75,-2.75) M2(-2.25,-2.75) M3(-1.75,-2.75) M4(-1.25,-2.75) M5(-0.75,-2.75) M6(-0.25,-2.75) M7(0.25,-2.75) M8(0.75,-2.75) M9(1.25,-2.75) M10(1.75,-2.75) M11(2.25,-2.75) M12(2.75,-2.75)
  silkscreen extent -4.27,-3.5 3.5,3.5, body extent -3.5,-3.5 3.5,3.5, height 0.6
